# KiCad board Thermal_Camera.kicad_pcb (continued)
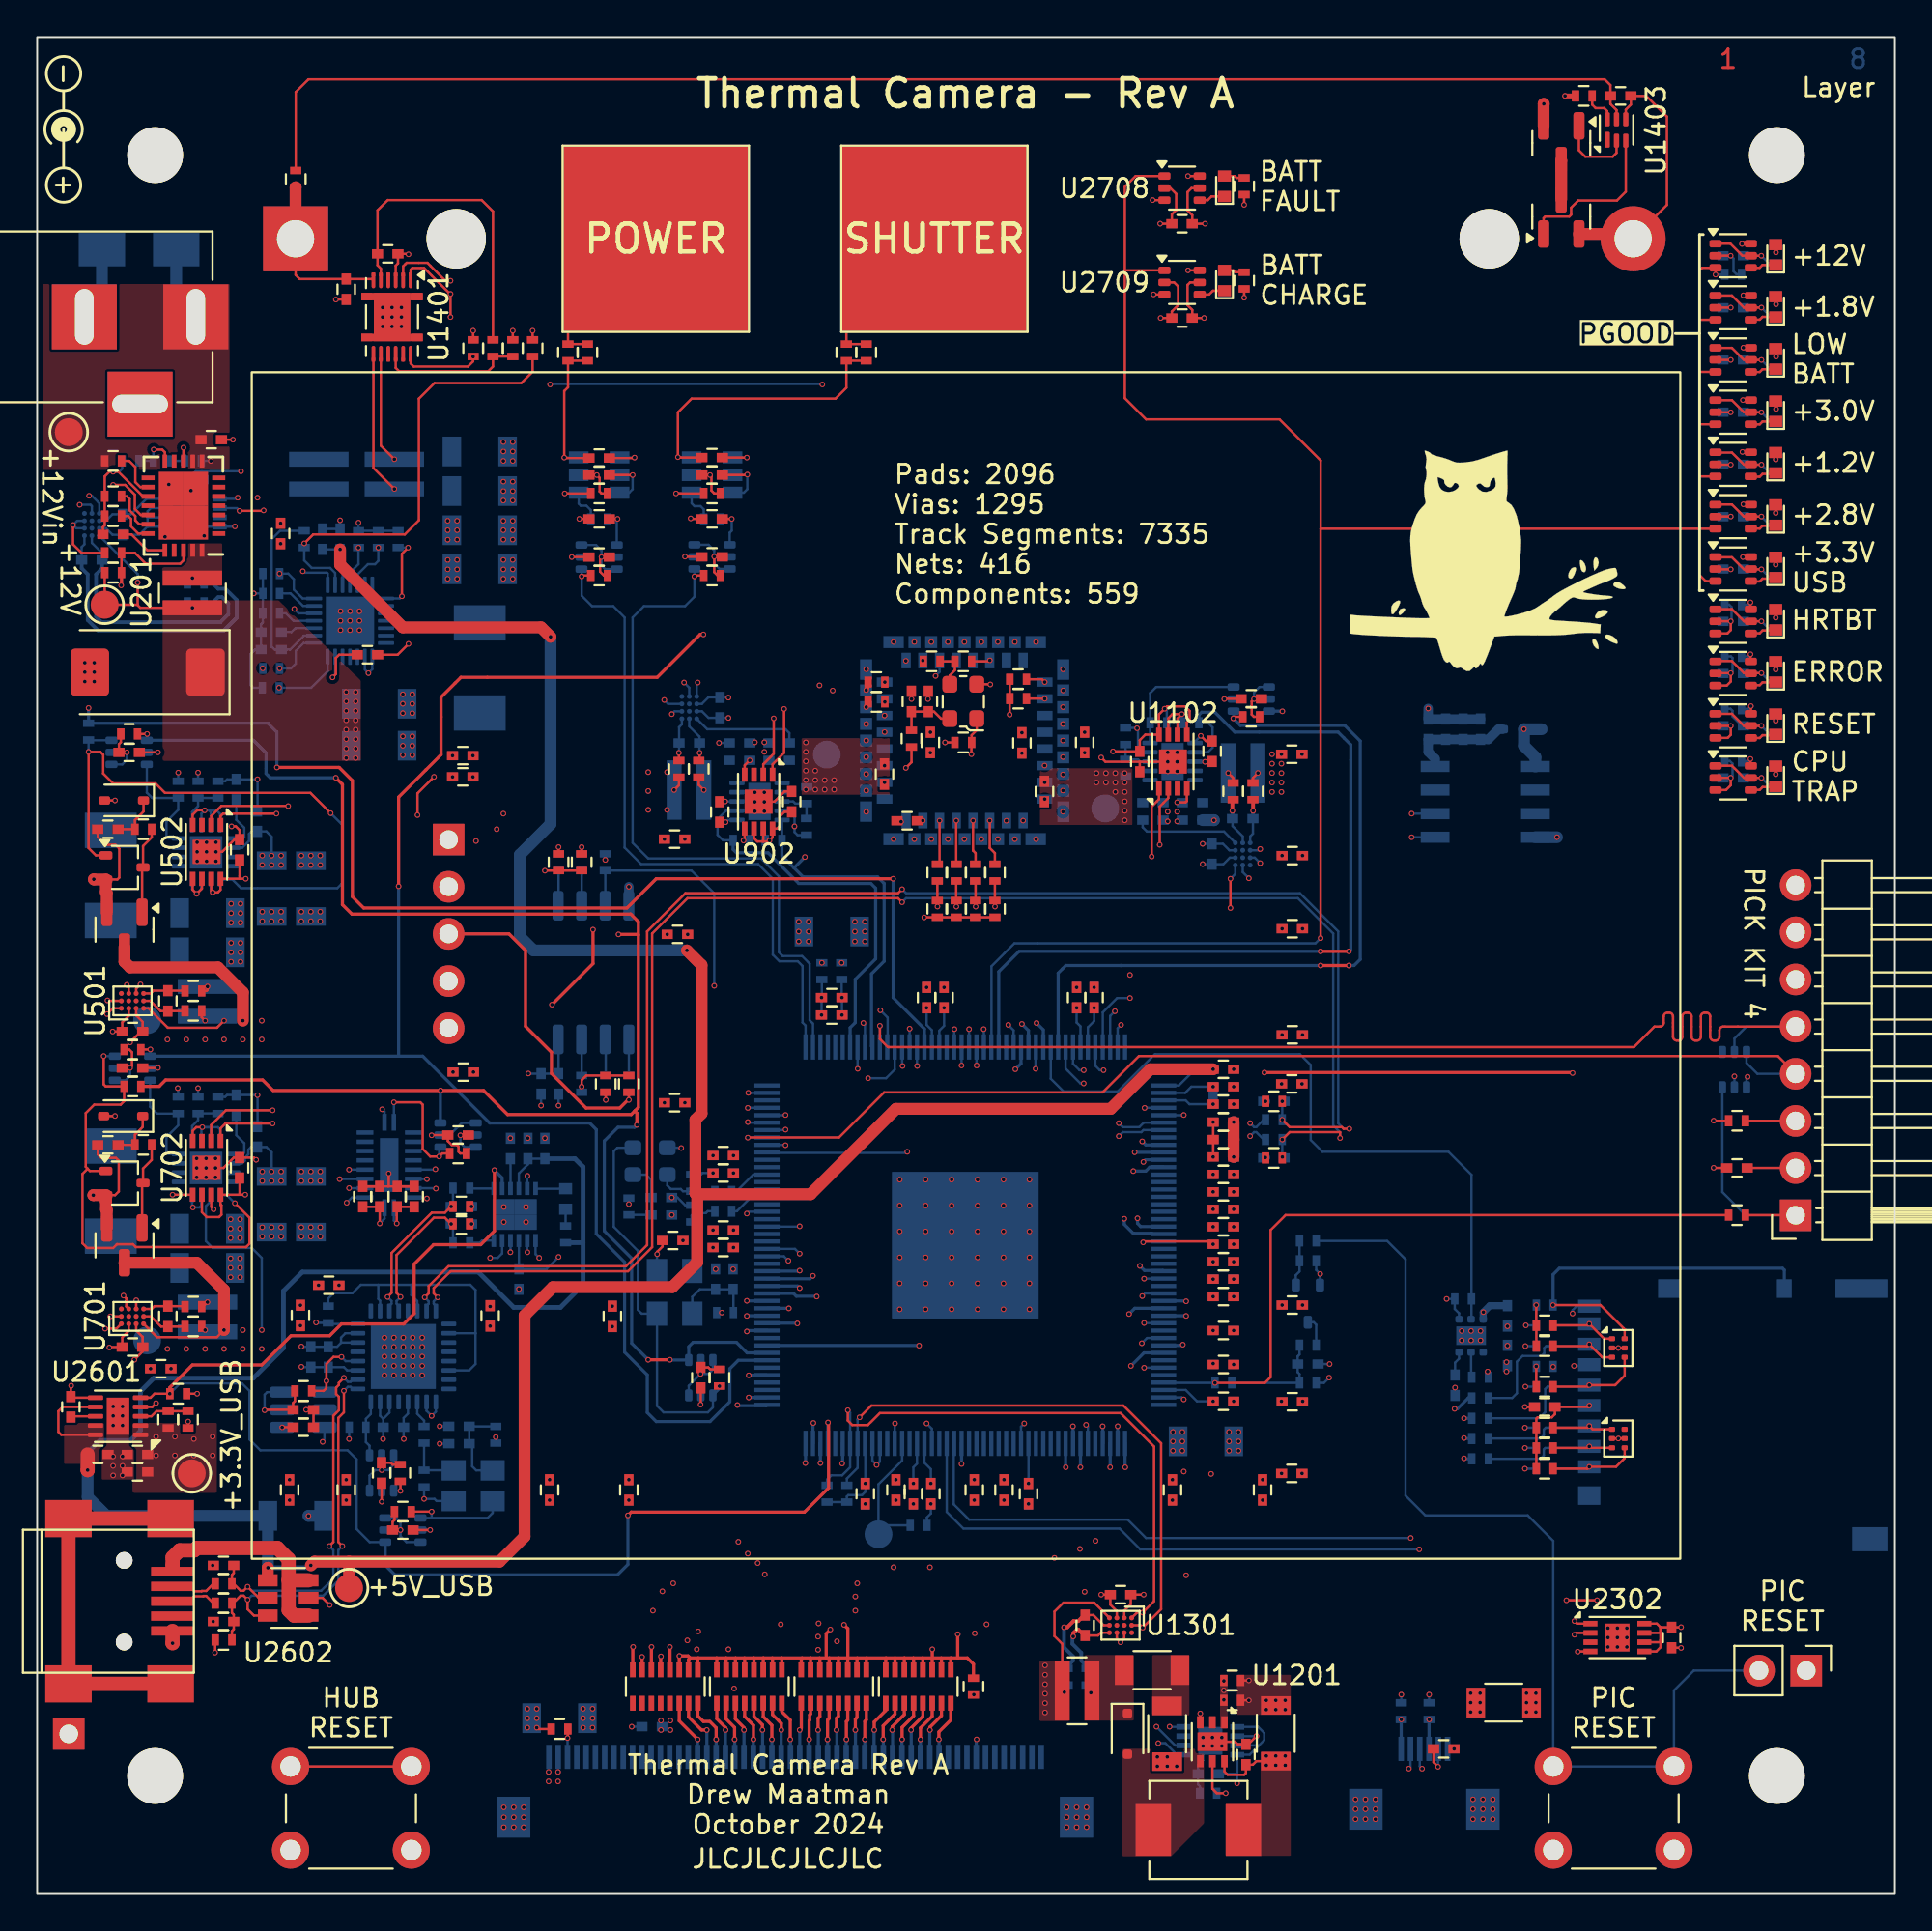
[diagram p0: board, top side]
## Routing (per net, layer and track width the routed paths; a pad name or vN(x,y) marks a point on that pad's centre or on a via; arc(x,y) is an arc through that point) (continued)
  Top w0.635: Q402.3 4.7,50.2 5,49.9 9.73,49.9 11.07,48.55 v1(11.07,47.03)
  Bottom w0.127: U601.5 6.1,44.49 v1(6.5,44.49) ; 93.59,62.5 93.22,62.5 v1(92.82,62.9) 91.85,62.9 ; U2903.5 35.37,72.02 v1(34.87,72.02) ; R1409.1 R1404.1 v1(17.3,73.85) ; 65.72,7.95 65.68,7.99 U1302.7 ; 65.72,7.95 66.05,8.28 66.05,8.67 65.73,8.99 U1302.5 ; 65.72,7.95 65.27,7.49 U1302.8 64.6,6.47 64.59,6.46 ; 91.85,71.34 v1(92.82,71.34) 93.22,70.94 93.59,70.94 ; R1504.1 69.27,27.52 v1(69.55,27.8) ; R2018.1 v1(29.31,43.47) ; 93.59,73.78 93.22,73.78 v1(92.82,74.18) 91.85,74.18 ; 91.85,85.43 v1(92.82,85.43) 93.22,85.03 93.59,85.03 ; U1101.B1 64.2,55.81 63.85,55.46 C1102.1 62.74,55.46 v1(62.74,55.46) ; v1(39.42,56.73) 39.41,56.75 R801.1 ; U1701.102 53.37,24.26 v1(53.37,22.1) ; v1(21.23,40.86) 21.69,40.86 U2202.5 22.21,40.87 22.86,41.52 U2202.1 ; 64.59,6.46 v1(64.59,5.96) ; 64.59,6.46 64.59,6.47 C1303.1 ; R403.1 v1(7.59,60.39) ; v1(35.71,26.35) 35.71,26.84 U1601.5 ; U2401.16 46.56,57.8 v1(46.51,57.75) ; 93.59,65.35 93.22,65.35 v1(92.82,65.75) 91.85,65.75 ; v1(60.69,63.83) 60.81,63.71 R1001.1 ; U2901.6 38.04,75.47 38.23,75.65 v1(38.23,76.44) 37.46,76.44 U2901.5 ; U1701.19 48.56,46.49 48.82,46.75 v1(48.82,47.72) ; U2904.5 29.3,72 v1(28.78,72) ; U2902.6 31.87,75.47 32.05,75.65 v1(32.05,76.42) U2902.5 ; U2203.1 18.7,36.36 v1(18.44,36.11) ; 93.59,82.21 93.22,82.21 v1(92.82,82.61) 91.85,82.61 ; 91.85,79.79 v1(92.82,79.79) 93.22,79.4 93.59,79.4 ; C801.1 36.7,61.99 v1(36.7,61.99) ; v1(63.91,64.35) U1001.5 ; R2805.1 91.15,63.83 91.26,63.72 91.26,63.41 91.76,62.91 C2803.1 ; v1(37.21,64.43) 37.2,64.44 C902.1 36.13,64.44 35.78,64.09 U901.B1 ; v1(75.41,6.85) 75.41,7.8 J2102.2 ; U1101.C3 65.77,56.21 v1(65.84,56.27) ; L1601.2 v1(31.85,37.15) ; U1701.124 44.58,24.25 v1(44.58,22.1) 44.58,21.65 44.4,21.48 43.66,21.48 43.59,21.4 R1802.1 R1801.1 ; R1408.1 v1(12.14,66) ; 91.85,68.54 v1(92.82,68.54) 93.22,68.14 93.59,68.14 ; 93.59,59.71 93.22,59.71 v1(92.82,60.11) 91.85,60.11 ; v1(92.08,44.01) 92.01,43.94 D1501.1 ; U2001.8 28.07,45.99 C2003.1 C2005.1 26.45,44.17 v1(26.44,44.18) ; v1(9.45,53.94) 9.34,54.04 U402.14 ; v1(55.96,47.72) 55.96,46.93 56.16,46.72 U1701.38 ; R2020.1 v1(30.58,55.69) ; R2702.1 93.21,87.83 v1(92.81,88.23) C2701.1 ; v1(7.57,43.4) 7.59,43.37 R603.1 ; v1(47.17,22.1) 47.17,22.97 47.36,23.17 U1701.117 ; v1(6.5,61.48) U401.5 ; U1701.86 61.83,27.14 62.43,26.53 v1(63.31,26.53) ; 93.59,76.58 93.22,76.58 v1(92.82,76.97) 91.85,76.97 ; L1602.2 v1(36.86,31.31) ; v1(10.97,76.62) 8.53,76.62 8.33,76.42 8.33,76.29 8.21,76.16 C303.1 7.42,76.16 7.25,76.34 6.93,76.34 6.67,76.08 6.67,75.69 6.93,75.43 U302.8 5.88,75.13 5.05,74.3 C302.1 4.06,74.3 3.71,73.95 U301.B1 ; R408.1 v1(8.66,60.39)
  Bottom w0.381: C2004.1 78.2,31.68 v1(77.85,31.33) 77.84,31.32 U2002.6
  Bottom w0.635: D2301.2 v1(80.04,62.73) 80.04,61.84 80.65,61.22 80.65,60.72
  vias: v1(7.01,46.01) v1(8.03,46.01) v1(9.04,46.01) v1(10.06,46.01) v1(11.07,46.01) v1(12.09,47.03) v1(12.09,46.01) v1(29.39,9.97) v1(29.39,9.46) v1(29.39,8.95) v1(29.9,9.97) v1(29.9,9.46) v1(29.9,8.95) v1(32.89,60.41) v1(32.89,59.4) v1(32.89,58.38) v1(33.58,9.33) v1(33.58,8.83) v1(33.91,60.41) v1(33.91,58.38) v1(34.09,9.33) v1(34.09,8.83) v1(37.48,39.76) v1(37.48,38.82) v1(37.48,35.75) v1(37.48,34.81) v1(41,52.36) v1(41,51.83) v1(41,51.3) v1(41.53,52.36) v1(41.53,51.83) v1(41.53,51.3) v1(42.24,50.15) v1(61.14,24.88) v1(61.14,24.37) v1(61.14,23.86) v1(61.65,24.88) v1(61.65,24.37) v1(61.65,23.86) v1(77.17,10.81) v1(77.17,10.3) v1(77.17,9.79) v1(77.67,10.81) v1(77.67,10.3) v1(77.67,9.79)
+3.0V_SD: length 11.3
  Top w0.127: R2015.1 80.7,27.33 v1(80.7,28.41) ; R2019.1 R2017.1 R2016.1 80.7,25.6 80.77,25.67 81.53,25.67 81.7,25.84 C2002.1 83.48,26.23 v1(83.55,26.3) ; v1(80.7,31.71) 80.7,30.63 R2013.1 R2014.1
  Bottom w0.127: C2002.1 83.48,26.23 v1(83.55,26.3) ; R2011.1 v1(80.7,28.41) ; R2012.1 v1(80.7,31.71)
  vias: v1(78.08,28.13) v1(79.1,28.64) v1(79.1,28.13)
+3.0VA_MZ: length 1.9
  Bottom w0.127: L1701.1 42.24,48.29 v1(42.22,48.27) v1(42.22,47.33)
+3.3V_USB: length 26.9
  Top w0.127: R2606.1 9.58,13 v1(9.58,12.99) ; R2601.1 v1(8.61,26.94) ; v1(21.16,19.6) C2502.1 ; R2504.1 13.88,26.54 13.78,26.44 C2503.1 12.27,26.07 v1(12.24,26.05) ; v1(19.35,36.11) 19.35,36.98 C2210.1 C2211.1 ; C2509.1 v1(18.54,21.12)
  Bottom w0.127: v1(28.07,34.3) 27.42,33.66 C2201.1 25.93,35.19 U2201.9 ; v1(18.54,21.12) 18.54,21.72 ; U2501.5 v1(21.16,19.6) ; 18.63,25.58 18.96,25.92 U2504.30 ; 18.63,25.58 C2506.1 18.63,24.51 v1(18.62,24.5) ; 18.63,25.58 18.46,25.75 U2504.31 ; U2504.26 20.96,26.02 v1(21.23,25.74) 21.46,25.97 U2504.25 ; U2203.20 19.2,36.26 v1(19.35,36.11) ; U2502.5 13.16,26.05 v1(12.24,26.05) 12.24,26.89 12.38,27.02 U2502.6 ; U2504.8 15.73,30.69 R2507.1 15.03,30.75 v1(15.01,30.77) ; v1(14.22,28.38) 14.24,28.37 C2508.1 C2507.1 16.51,28.37 16.69,28.19 U2504.3 ; L2501.2 v1(24.69,24.6)
  vias: v1(6.4,24.63) v1(6.4,23.61) v1(7.42,24.63) v1(7.42,23.61) v1(8.43,24.5) v1(8.43,23.61) v1(9.45,24.63) v1(9.45,23.61)
+3.3V_USB_MZ: length 6.5
  Bottom w0.127: U1701.47 61.82,42.74 62.03,42.53 v1(63.31,42.53) ; U1701.46 61.79,43.14 62.13,43.47 v1(63.31,43.47)
  Bottom w0.508: v1(63.31,42.53) v1(63.31,43.47)
+5V_USB: length 201.5
  Top w0.127: U2601.7 1.37,26.22 1.14,26 1.14,24.88 1.3,24.72 U2601.10
  Top w0.635: 35.43,37.73 35.48,37.68 41.63,37.68 46.23,42.28 57.78,42.28 59.92,44.41 v1(63.31,44.41) ; 35.43,37.73 35.53,37.63 35.53,34.02 34.19,32.68 27.76,32.68 26.24,31.15 26.24,19.24 24.89,17.89 16.79,17.89 ; 35.43,37.73 35.43,41.69 35.76,42.02 35.76,50.03 v1(34.98,50.81) ; 16.79,17.89 14.94,17.89 v1(14.73,17.69) ; 16.79,17.89 TP2602.1 ; U2602.4 12.41,17.56 v1(12.42,17.56) ; v1(16.31,72.41) 16.31,71.59 19.69,68.21 27.13,68.21 v1(27.64,67.7)
  Top w0.762: C2601.1 v1(2.72,22.82)
  Bottom w0.127: U1402.17 16.44,71.58 16.31,71.72 v1(16.31,72.41) C1403.1 ; v1(63.31,44.41) 62.33,44.41 61.46,43.54 U1701.45 ; C2206.1 C2203.1 26.42,39.29 25.93,38.8 U2201.4
  Bottom w0.254: C2206.1 28.95,39.59 29.39,39.15 29.39,35.06 ; 29.39,35.06 29.39,32.8 28.17,31.59 25.65,31.59 23.75,33.49 14.27,33.49 13.26,32.47 13.26,29.4 11.63,27.78 6.27,27.78 5.56,27.06 5.56,24.96 5.03,24.42 3.38,24.42 2.72,23.76 v1(2.72,22.82) ; 29.39,35.06 29.38,35.07 R2201.1 ; v1(12.42,17.56) 14.6,17.56 v1(14.73,17.69)
  Bottom w0.635: v1(34.98,50.81) 26.72,50.81 25.98,51.55 25.98,55.97 27.64,57.62 v1(27.64,67.7) ; v1(12.42,17.56) 12.42,20.36 C2607.1 3.73,20.36 2.72,21.37 v1(2.72,22.82)
+12V: length 11.5
  Top w0.127: v1(8.36,69.27) 5.55,69.27 5.38,69.43 ; 5.38,69.43 5.41,69.46 v1(5.41,70.62) ; 5.38,69.43 TP203.1 3.64,69.44 R208.1
  Bottom w0.127: v1(8.36,69.27) 8.09,69.53 R210.2 ; U301.D1 5.41,71.09 v1(5.41,70.62)
  vias: v1(16.64,64.73) v1(16.64,64.22) v1(16.64,63.72) v1(16.64,63.21) v1(16.64,62.7) v1(16.64,62.19) v1(16.64,61.68) v1(16.64,61.18) v1(17.15,64.73) v1(17.15,64.22) v1(17.15,63.72) v1(17.15,63.21) v1(17.15,62.7) v1(17.15,62.19) v1(17.15,61.68) v1(17.15,61.18)
+12Vin: length 4.6
  Bottom w0.127: R201.1 v1(9.35,77.18)
  Bottom w0.635: D201.1 7.49,85.99 J201.1
GND: length 333.5
  Top w0.127: v1(37.06,57.72) 37.06,57.72 C803.2 ; v1(6.4,26.43) 6.19,26.22 U2601.4 ; 90.35,62.9 v1(91.17,62.9) 91.17,62.43 91,62.26 U2803.3 ; 23.28,37.02 v1(23.38,37.02) ; Q601.2 4.19,37.63 4.39,37.83 4.39,39.48 4.24,39.64 3.45,39.64 3.26,39.83 C603.2 ; 23.28,36.08 v1(23.38,36.08) ; v1(9.6,39.1) 10.03,39.1 10.58,39.65 C703.2 11.67,39.65 v1(11.79,39.54) ; U2602.2 15.37,15.94 v1(15.75,15.56) ; v1(62.61,9.72) 62.62,9.71 U1201.3 ; 90.35,82.61 v1(91.17,82.61) ; 90.35,65.75 v1(91.17,65.75) 91.17,65.3 90.95,65.08 U2802.3 ; C2401.2 47.97,64.37 v1(47.96,64.35) ; v1(47.07,64.35) 47.06,64.36 C2402.2 ; v1(16.08,85.86) 16.09,85.87 C1401.2 ; v1(90.25,41.64) 90.25,41.64 L1502.2 ; v1(8.13,25.44) 8.13,25.1 R2605.2 ; TH1402.2 v1(26.67,84.19) ; C2202.2 C2205.2 18.92,38.1 ; v1(4.09,75.88) 4.73,75.88 5.26,75.36 5.26,74.59 5.58,74.27 U201.17 ; C903.2 40.24,59.38 39.69,58.83 U902.9 ; v1(18.54,22.82) 18.54,23.22 19.03,23.22 19.13,23.12 R2505.2 ; v1(57.28,61.2) 57.51,60.97 59.35,60.97 ; U701.C3 5.33,31.96 v1(5.33,31.97) ; U502.6 8.87,54.14 v1(8.59,53.86) 8.37,54.08 U502.5 ; 4.93,23.56 v1(4.6,23.56) ; v1(48.87,62.01) 48.87,62.01 R2401.2 ; C202.2 v1(10.54,78.32) ; C403.2 3.26,56.93 3.68,56.5 4.22,56.5 4.42,56.3 4.42,54.73 4.32,54.63 Q401.2 ; U701.C1 5.33,30.34 5.68,29.99 C702.2 5.68,29.21 v1(5.23,28.77) ; U1102.7 60.89,63.31 61.11,63.54 v1(61.62,63.54) 61.39,63.31 U1102.6 ; C2204.2 22.8,40.87 v1(22.78,40.86) ; R402.2 4.5,62.02 4.4,61.92 C401.2 v1(4.83,61.48) ; U702.7 9.37,37 v1(9.5,36.87) ; 90.35,79.79 v1(91.17,79.79) ; v1(8.89,41.29) 8.56,41.29 8.37,41.1 U702.4 ; C2405.2 45.61,59.86 v1(45.62,59.86) ; U501.C3 5.33,48.75 v1(5.56,48.98) ; C1502.2 90.25,39.1 v1(90.25,39.1) ; U502.4 8.37,58.11 8.61,58.36 v1(9.02,58.36) ; C2002.2 v1(80.09,26.23) ; C2908.2 30.8,72 v1(30.38,72) 30.3,71.92 30.3,71.21 30.51,71.01 R2910.2 ; v1(44.63,63.92) 44.73,64.02 R2406.2 ; v1(44.63,64.83) 44.73,64.94 R2408.2 ; v1(62.64,62.37) 62.92,62.09 C1004.2 ; R2404.2 54.08,65.42 v1(54.24,65.26) ; v1(10.46,57.49) 10.69,57.49 10.9,57.29 C503.2 10.62,56.78 9.96,56.12 v1(9.63,56.12) ; 90.35,60.11 v1(91.17,60.11) 91.17,59.71 90.91,59.45 U2804.3 ; R2503.2 19.24,20.14 19.13,20.04 C2502.2 v1(19.56,19.6) ; D2002.2 v1(85.12,24.52) D2002.5 ; R1202.2 v1(65.23,10.43) ; C2604.2 v1(9.47,14.67) ; R2905.2 36.45,75.43 36.3,75.58 36.3,76.34 v1(36.22,76.42) C2903.2 ; C2906.2 v1(29.18,74.05) ; R209.2 2.39,72.23 1.93,72.68 v1(1.93,73.72) ; TH1401.2 v1(25.6,84.19) ; 18.92,38.1 v1(18.92,38.8) ; 18.92,38.1 C2211.2 C2210.2 ; C3133.2 33.66,34.87 33.38,34.58 v1(33.38,34.46) ; U2709.2 61.2,86.79 61.42,86.58 61.42,85.56 61.08,85.22 C2709.2 60.48,84.87 v1(60.48,84.87) ; v1(47.68,57.8) 47.67,57.8 C2404.2 ; U2601.6 1.87,26.72 C2602.2 1.81,27.35 v1(1.83,27.37) ; v1(65.63,8.5) 65.19,8.06 C1202.2 64.63,8.06 64.49,8.19 U1201.7 ; R2906.2 30.38,75.43 30.28,75.53 30.28,76.26 v1(30.12,76.42) C2904.2 ; v1(54.24,58.96) 54.22,58.95 C2403.2 ; U902.5 38.09,56.79 v1(38.02,56.73) ; v1(35.18,74.08) 35.2,74.05 C2905.2 ; v1(5,45.86) 5.59,46.44 C502.2 5.68,46.96 5.33,47.31 U501.C1 ; U2701.2 v1(91.16,88.23) ; U902.4 38.09,60.78 v1(38.36,61.05) ; v1(7.29,37.66) 7.29,37.65 U702.5 ; R2409.2 51.23,66.38 v1(51.28,66.43) ; v1(82.93,13.04) 82.94,13.06 83.61,13.06 ; v1(14.48,26.07) C2503.2 C2501.2 ; R2104.2 26.97,8.88 v1(26.89,8.95) ; C1103.2 59.35,60.97 ; 59.35,60.97 v1(60.86,60.97) ; 90.35,76.97 v1(91.17,76.97) ; U2801.3 90.99,67.88 91.17,68.07 v1(91.17,68.54) 90.35,68.54 ; v1(57.28,16.12) C1302.2 57.77,15.57 58.12,15.22 U1301.C1 ; v1(51.31,65.14) 51.3,65.15 X2401.2 ; C2305.2 88.48,13.25 v1(88.49,13.25) ; D2001.5 v1(85.12,29.4) D2001.2 ; v1(60.45,89.95) 60.45,89.95 C2708.2 61.08,90.46 61.32,90.69 61.32,91.56 61.01,91.87 U2708.2 ; R2909.2 36.63,71.01 36.45,71.18 v1(36.45,72.02) 36.46,72.01 C2907.2 ; U1401.3 19.3,87.69 19.42,87.81 C1408.2 19.96,88.33 v1(19.99,88.3) ; C601.2 5,44.48 v1(5,44.49) 5.11,44.59 5.11,45.33 4.96,45.47 R602.2 ; v1(35.71,28) 35.72,28.02 C1601.2 36.13,28.35 36.23,28.25 R1602.2 ; v1(61.37,58.79) 61.82,58.79 61.89,58.85 U1102.4 ; 90.35,85.43 v1(91.17,85.43) ; C1001.2 65.52,64.36 v1(65.51,64.35) 65.38,64.22 65.38,63.51 65.5,63.4 R1003.2 ; 90.35,74.18 v1(91.17,74.18) ; R1203.2 v1(65.23,11.49) ; 90.35,71.34 v1(91.17,71.34)
  Top w0.169: 38.07,12.71 38.09,12.7 RN2103.5 ; 38.07,12.71 37.59,12.71 ; 38.07,12.71 38.58,12.71 ; 38.58,12.71 38.59,12.7 RN2103.4 ; 38.58,12.71 39.09,12.71 ; RN2103.6 37.59,12.7 37.59,12.71 ; 42.11,12.71 42.47,12.71 ; 42.11,12.71 41.63,12.71 ; 42.11,12.71 42.13,12.69 RN2102.6 ; 42.47,12.71 42.48,12.71 42.48,14.02 v1(42.7,14.24) ; 42.47,12.71 42.65,12.71 ; 35.15,12.71 35.59,12.71 ; 35.15,12.71 35.06,12.62 RN2104.2 ; 35.15,12.71 35.04,12.81 v1(34.57,12.81) 34.56,12.81 RN2104.3 ; 35.59,12.71 36.58,12.71 ; 35.59,12.71 35.56,12.68 RN2104.1 ; 46.69,12.71 47.17,12.71 ; 46.69,12.71 46.18,12.71 ; 46.69,12.71 46.68,12.7 RN2101.6 ; 47.17,12.71 47.68,12.71 ; 47.17,12.71 47.18,12.7 RN2101.5 ; RN2102.3 43.63,12.7 43.64,12.71 ; 41.63,12.71 41.63,12.7 RN2102.7 ; 41.63,12.71 41.17,12.71 ; 47.68,12.71 47.68,12.7 RN2101.4 ; 47.68,12.71 48.18,12.71 ; 46.18,12.71 46.18,12.7 RN2101.7 ; 46.18,12.71 45.69,12.71 ; 48.18,12.71 v1(48.18,13.17) ; 48.18,12.71 48.18,12.7 RN2101.3 ; 48.18,12.71 48.67,12.71 ; 43.64,12.71 44.15,12.71 ; 43.64,12.71 43.15,12.71 ; 43.64,12.71 43.64,14.29 v1(43.43,14.49) ; 44.15,12.71 44.13,12.69 RN2102.2 ; 44.15,12.71 44.65,12.71 ; 41.17,12.71 41.13,12.66 RN2102.8 ; 41.17,12.71 40.08,12.71 ; 45.69,12.71 44.65,12.71 ; 45.69,12.71 45.68,12.69 RN2101.8 ; 44.65,12.71 44.63,12.68 RN2102.1 ; 43.15,12.71 42.65,12.71 ; 43.15,12.71 43.13,12.68 RN2102.4 ; RN2104.4 34.06,13.29 v1(34.06,13.3) ; R2103.2 50.4,12.38 50.07,12.71 49.56,12.71 ; RN2104.7 v1(32.56,12.76) ; RN2103.8 36.59,12.7 36.58,12.71 ; v1(33.07,13.3) 33.06,13.29 RN2104.6 ; 49.56,12.71 v1(49.56,13.98) ; 49.56,12.71 49.17,12.71 ; RN2104.8 32.06,13.28 v1(32.08,13.3) ; 36.58,12.71 37.08,12.71 ; 39.57,12.71 40.08,12.71 ; 39.57,12.71 39.09,12.71 ; 39.57,12.71 39.59,12.69 RN2103.2 ; 40.08,12.71 40.09,12.7 RN2103.1 ; RN2102.5 42.63,12.69 42.65,12.71 ; 37.59,12.71 37.08,12.71 ; 37.08,12.71 37.09,12.7 RN2103.7 ; RN2103.3 39.09,12.7 39.09,12.71 ; 48.67,12.71 48.68,12.69 RN2101.2 ; 48.67,12.71 49.17,12.71 ; 49.17,12.71 49.18,12.7 RN2101.1 ; RN2104.5 33.56,12.77 v1(33.58,12.79)
  Top w0.254: R1414.2 82.25,96.83 v1(82.25,96.84)
  Top w0.635: Q1402.2 81.09,96.4 v1(81.1,96.41) ; Q402.2 3.75,53.9 3.7,53.95 Q401.2 3.06,54.63 v1(3.05,54.65) ; Q602.2 3.75,36.83 3.71,36.87 3.71,37.3 3.7,37.31 Q601.2 3.03,37.63 v1(3.02,37.63) ; v1(64.41,39.69) C1741.2 v1(64.41,41.57)
  Top w0.762: J2601.5 7.29,13.5 v1(7.29,13.5)
  Bottom w0.127: U1701.115 48.16,25.05 v1(47.88,25.34) ; v1(10.64,73.65) 10.63,73.63 U302.4 8.38,73.63 ; J2001.9 82.87,31.65 82.65,31.43 v1(82.65,31.25) ; R802.2 38.04,56.75 v1(38.02,56.73) ; v1(49.38,46.57) 49.36,46.56 U1701.21 ; U2401.P32 49.92,67.42 v1(49.91,67.42) ; v1(91.17,79.79) 90.75,79.79 ; v1(19.56,19.6) 19.56,20 19.31,20.25 U2501.3 ; v1(19.56,19.6) U2501.2 ; v1(19.56,19.6) 19.56,19.27 19.88,18.95 U2501.6 ; U1701.122 45.36,23.28 v1(45.19,23.1) 44.96,23.33 U1701.123 ; U2401.P36 53.77,67.42 v1(53.77,67.42) ; R1604.2 34.88,37.09 34.47,37.5 C1602.2 ; U801.4 40.64,58.34 40.77,58.2 v1(40.77,57.49) 40.77,57.19 40.94,57.02 R807.2 ; U1701.94 56.56,25.16 v1(56.46,25.26) ; U2504.7 16.59,30.19 16.36,29.96 16.36,29.68 ; v1(91.17,74.18) 90.75,74.18 ; v1(61.72,41.95) 61.71,41.94 U1701.49 ; v1(44.63,62.12) U2401.P23 ; R1008.2 59.18,62.8 v1(59.21,62.78) 59.26,62.73 59.26,61.58 59.36,61.48 U1002.4 ; v1(34.67,40.17) 34.66,40.18 X1601.2 ; U302.9 8.93,74.93 C303.2 ; U302.9 8.13,74.63 U302.7 6.12,74.63 5.94,74.46 5.94,74.13 ; U302.9 8.13,74.13 U302.6 5.95,74.13 5.94,74.13 ; U302.9 8.38,73.63 ; U1002.6 62.33,62.06 v1(62.64,62.37) ; v1(35.71,28) 35.07,27.37 U1601.6 ; v1(35.71,28) 35.71,28.74 U1601.2 ; v1(35.71,28) 36.14,28 36.37,28.23 U1601.3 ; U1101.B3 65.54,55.81 v1(65.84,55.51) ; v1(51.71,56.81) 51.72,56.8 51.73,56.8 ; 62.76,7.73 62.76,7.19 62.49,6.93 C1303.2 62.49,5.9 62.59,5.8 R1201.1 ; v1(53.77,56.81) 53.77,56.8 53.75,56.8 ; v1(55.22,58.28) 55.23,58.29 U2401.P9 ; v1(49.76,44.62) 49.76,44.62 U1701.22 ; U2401.P8 55.23,59.41 v1(55.22,59.42) ; U2401.P28 v1(46.1,67.42) ; C1403.2 C1406.2 v1(16.31,73.98) ; v1(44.63,60.31) U2401.P21 ; 31.2,71.35 30.57,71.35 30.38,71.54 v1(30.38,72) ; 9.34,40.57 9.34,41.25 9.3,41.29 v1(8.89,41.29) ; 16.36,29.68 16.15,29.47 C2507.2 C2508.2 14.23,29.47 v1(14.22,29.48) ; 16.36,29.68 16.37,29.69 U2504.6 ; v1(56.34,44.36) 56.11,44.36 55.76,44.71 U1701.37 ; U1402.12 14.08,68.97 v1(13.84,69.2) ; U1701.83 59.59,28.34 v1(59.59,28.33) ; 48.13,56.8 v1(48.13,56.81) ; R2506.2 16.8,24.51 v1(16.79,24.5) ; v1(91.17,71.34) 90.75,71.34 ; U301.C1 3.71,73.55 4.06,73.2 C302.2 5.5,73.2 5.94,73.65 ; v1(61.62,63.54) 61.62,63.09 R1002.2 ; R1603.2 35.73,38.74 35.81,38.82 v1(36.38,38.82) ; U2401.P31 v1(49.02,67.42) ; U2903.2 37.27,72.02 v1(36.45,72.02) ; C2101.2 32.01,9.01 v1(32,9) ; U2201.5 26.38,38.66 v1(26.39,38.67) ; J2001.6 83.49,28.44 v1(82.73,28.44) ; U1701.87 61.62,26.74 v1(61.72,26.63) ; U402.6 8.84,58.18 v1(9.02,58.36) ; U1302.6 65.63,8.49 v1(65.63,8.5) ; v1(47.22,56.81) 47.22,56.8 47.23,56.8 ; 17.89,21.72 17.89,22.53 18.19,22.82 v1(18.54,22.82) ; U1302.4 60.97,8.99 v1(60.96,9) ; U2201.13 25.11,36.17 v1(25.12,36.18) ; v1(9.02,58.36) 9.65,58.36 9.84,58.17 U402.8 ; v1(9.02,58.36) 9.25,58.36 9.34,58.26 U402.7 ; U2203.10 18.7,42.12 v1(18.57,42.25) ; v1(30.38,72) 30.38,72.35 30.08,72.65 U2904.6 ; v1(30.38,72) 30.38,72 U2904.2 ; 5.94,73.65 5.94,74.13 ; 5.94,73.65 5.96,73.63 U302.5 8.38,73.63 ; v1(91.17,82.61) 90.75,82.61 ; v1(8.89,41.29) 9.73,41.29 9.84,41.18 9.84,40.57 ; v1(8.89,41.29) 8.84,41.25 8.84,40.57 ; U2201.13 26.31,36.17 v1(26.31,36.18) ; v1(75.87,32.04) R2029.2 76.31,31.5 76.54,31.27 76.54,30.95 ; v1(44.63,59.42) 44.62,59.42 U2401.P20 ; v1(25.12,37) 25.11,37 U2201.13 ; R1403.2 11.63,64.96 11.48,65.11 11.48,66.76 11.73,67.02 C1411.2 C1407.2 12.05,68.37 12.15,68.47 R1406.2 R1401.2 ; X2501.2 21.5,21.16 21.39,21.27 v1(20.83,21.27) R2502.2 ; v1(37.21,63.34) 37.21,63.34 C902.2 36.14,63.34 35.79,63.69 U901.C1 ; U2401.P5 55.22,62.11 v1(55.22,62.12) ; U2401.P4 55.23,63.01 v1(55.22,63) ; v1(44.63,61.23) 44.62,61.22 U2401.P22 ; U401.2 v1(4.83,61.48) 4.83,61.07 4.58,60.83 U401.1 ; R2801.2 91.08,69.43 91.21,69.3 91.21,68.59 v1(91.17,68.54) 90.75,68.54 ; J2102.1 76.28,7.81 v1(76.28,7.81) ; R2806.2 91.12,61.02 91.26,60.87 91.26,60.2 v1(91.17,60.11) 90.75,60.11 ; v1(55.22,60.29) 55.23,60.3 U2401.P7 ; U1101.C1 64.18,56.21 63.83,56.56 62.74,56.56 v1(62.74,56.55) ; v1(33.38,34.46) 33.37,34.45 X1602.2 ; U402.15 8.84,54.12 v1(8.59,53.86) 8.34,54.1 U402.16 ; C2701.2 v1(91.16,88.23) 91.31,88.07 91.31,87.39 91.47,87.23 R2701.2 ; v1(36.22,76.42) U2901.2 ; v1(48.11,21) 48.11,20.49 47.9,20.27 R1601.2 ; U801.6 37.17,57.84 v1(37.06,57.72) ; v1(47.22,67.42) 47.22,67.42 U2401.P29 ; U301.C3 2.1,73.55 v1(1.93,73.72) 2.16,73.95 U301.B3 ; U2903.3 36.73,71.36 36.45,71.64 v1(36.45,72.02) ; v1(44.63,58.28) 44.62,58.29 U2401.P19 ; v1(53.14,25.34) 52.96,25.16 U1701.103 ; C2006.2 v1(76.33,27.27) ; v1(18.54,22.82) 18.9,22.82 19.19,23.12 U2503.3 ; v1(18.54,22.82) U2503.2 ; 49.93,56.8 49.92,56.8 v1(49.91,56.81) ; v1(36.45,72.02) 36.45,72.35 36.14,72.66 U2903.6 ; U2401.25 v1(46.76,66.41) ; C1501.2 v1(69.57,28.54) ; C2005.2 v1(27.13,42.46) ; C2003.2 v1(28.07,42.46) ; U1701.154 40.79,34.74 v1(41.05,34.48) ; U1701.153 40.2,34.34 v1(40.44,34.1) ; U602.15 8.84,37.08 8.74,36.97 v1(8.38,36.97) 8.34,37.01 U602.16 ; U1402.2 17.64,65.94 v1(17.83,65.75) 18.04,65.96 U1402.1 ; v1(51.28,66.43) 51.28,66.43 U2401.30 ; v1(26.31,37) 26.31,37 U2201.13 ; U2401.P34 51.72,67.42 v1(51.71,67.42) ; v1(52.27,46.8) 52.56,46.51 U1701.29 ; U2401.10 v1(52.17,57.8) ; v1(44.63,63) 44.62,63.01 U2401.P24 ; C606.2 v1(11.86,43.02) 11.76,43.02 11.75,43.02 C605.2 10.22,43.02 10.12,42.92 R609.2 ; U2401.P1 v1(55.22,65.95) ; C2504.2 v1(21.67,24.24) ; v1(91.17,76.97) 90.75,76.97 ; v1(52.63,67.42) U2401.P35 ; R2101.2 v1(74.93,10.73) ; C2201.2 v1(25.93,32.58) ; U901.C3 34.32,63.69 v1(34.16,63.54) ; R2802.2 91.17,66.65 91.26,66.56 91.26,65.84 v1(91.17,65.75) 90.75,65.75 ; v1(48.36,65.6) 48.58,65.81 U2401.27 ; C2505.2 v1(21.67,25.18) ; v1(19.74,24.5) 19.73,24.51 C2506.2 19.73,25.63 19.96,25.87 U2504.28 ; C2002.2 v1(80.09,26.23) ; U601.1 4.76,43.82 5,44.06 v1(5,44.49) 4.2,44.49 U601.2 ; U2401.P30 v1(48.13,67.42) ; v1(50.83,67.42) U2401.P33 ; v1(91.17,85.43) 90.75,85.43 ; U2202.3 23.01,40.22 22.78,40.45 v1(22.78,40.86) 23.59,40.86 U2202.2 ; U1701.48 59.62,42.34 v1(59.61,42.33) ; R2102.2 v1(73.43,10.73) ; R1411.2 v1(11.66,70.04) ; v1(55.22,63.92) 55.22,63.91 U2401.P3 ; U1001.1 65.8,65 65.51,64.71 v1(65.51,64.35) U1001.2 ; U2502.2 v1(14.48,26.07) ; R409.2 10.13,59.92 10.23,60.02 C405.2 11.85,60.02 v1(11.86,60.03) C406.2 ; D1501.2 v1(91.36,44.03) ; v1(91.17,62.9) 90.75,62.9 ; Q1501.2 69.05,33.38 v1(69.06,33.39) 68.85,33.6 R1502.2 ; v1(30.12,76.42) U2902.2 ; U2401.P6 v1(55.22,61.23)
  Bottom w0.508: U2001.4 v1(31.85,54.24) ; v1(74.88,63.84) C2304.2 C2301.2 ; C1726.2 v1(66.12,42.68) ; v1(66.12,39.66) 66.09,39.64 C1719.2
  Bottom w0.635: C2607.2 14.61,20.36 v1(14.6,20.36) ; 80.65,56.91 v1(81.81,56.91) ; D201.2 3.49,85.88 J201.2 ; v1(64.41,39.69) v1(64.41,41.57)
  vias: v1(2.57,66.31) v1(2.57,65.8) v1(2.57,65.29) v1(3.07,66.31) v1(3.07,65.8) v1(3.07,65.29) v1(4.09,26.25) v1(4.09,25.74) v1(4.09,25.23) v1(4.09,23.56) v1(4.09,23.05) v1(4.09,22.54) v1(4.6,26.25) v1(4.6,25.74) v1(4.6,25.23) v1(4.6,23.05) v1(4.6,22.54) v1(8.59,39.61) v1(8.59,39.1) v1(8.59,38.59) v1(8.61,56.64) v1(8.61,56.12) v1(8.61,55.61) v1(9.12,56.64) v1(9.12,56.12) v1(9.12,55.61) v1(9.09,39.61) v1(9.09,39.1) v1(9.09,38.59) v1(9.45,17.69) v1(9.63,56.64) v1(9.63,55.61) v1(9.6,39.61) v1(9.6,38.59) v1(10.44,53.33) v1(10.44,52.82) v1(10.44,52.31) v1(10.44,51.22) v1(10.44,50.71) v1(10.44,50.2) v1(10.41,36.33) v1(10.41,35.83) v1(10.41,35.32) v1(10.41,34.23) v1(10.41,33.72) v1(10.41,33.21) v1(10.95,53.33) v1(10.95,52.82) v1(10.95,52.31) v1(10.95,51.22) v1(10.95,50.71) v1(10.95,50.2) v1(10.92,36.33) v1(10.92,35.83) v1(10.92,35.32) v1(10.92,34.23) v1(10.92,33.72) v1(10.92,33.21) v1(12.12,52.9) v1(12.12,52.39) v1(12.12,35.9) v1(12.12,35.4) v1(12.62,52.9) v1(12.62,52.39) v1(12.62,35.9) v1(12.62,35.4) v1(13.11,73.82) v1(13.13,52.9) v1(13.13,52.39) v1(13.13,35.9) v1(13.13,35.4) v1(14.22,52.9) v1(14.22,52.39) v1(14.22,35.9) v1(14.22,35.4) v1(14.73,52.9) v1(14.73,52.39) v1(14.73,35.9) v1(14.73,35.4) v1(15.24,52.9) v1(15.24,52.39) v1(15.24,35.9) v1(15.24,35.4) v1(16.25,32.78) v1(16.33,69.08) v1(16.33,68.57) v1(16.33,68.06) v1(16.84,69.08) v1(16.84,68.57) v1(16.84,68.06) v1(17.35,69.08) v1(17.35,68.57) v1(17.35,68.06) v1(18.59,85.44) v1(18.59,84.93) v1(18.59,84.42) v1(18.69,29.96) v1(18.69,29.46) v1(18.69,28.94) v1(18.69,28.44) v1(18.69,27.93) v1(19.1,85.44) v1(19.1,84.93) v1(19.1,84.42) v1(19.2,29.96) v1(19.2,29.46) v1(19.2,28.94) v1(19.2,28.44) v1(19.2,27.93) v1(19.61,85.44) v1(19.61,84.93) v1(19.61,84.42) v1(19.69,64.61) v1(19.69,64.1) v1(19.69,63.59) v1(19.69,62.34) v1(19.69,61.84) v1(19.69,61.33) v1(19.71,29.96) v1(19.71,29.46) v1(19.71,28.94) v1(19.71,28.44) v1(19.71,27.93) v1(20.19,64.61) v1(20.19,64.1) v1(20.19,63.59) v1(20.19,62.34) v1(20.19,61.84) v1(20.19,61.33) v1(20.22,29.96) v1(20.22,29.46) v1(20.22,28.94) v1(20.22,28.44) v1(20.22,27.93) v1(20.73,29.96) v1(20.73,29.46) v1(20.73,28.94) v1(20.73,28.44) v1(20.73,27.93) v1(23.46,61.3) v1(23.46,60.16) v1(23.49,44.26) v1(24.38,31.64) v1(25.1,78.19) v1(25.1,77.69) v1(25.1,77.18) v1(25.1,76.06) v1(25.1,75.55) v1(25.1,75.04) v1(25.1,73.95) v1(25.1,73.44) v1(25.1,72.94) v1(25.1,71.84) v1(25.1,71.34) v1(25.1,70.83) v1(25.12,4.66) v1(25.12,4.13) v1(25.12,3.59) v1(25.48,40.7) v1(25.6,78.19) v1(25.6,77.69) v1(25.6,77.18) v1(25.6,76.06) v1(25.6,75.55) v1(25.6,75.04) v1(25.6,73.95) v1(25.6,73.44) v1(25.6,72.94) v1(25.6,71.84) v1(25.6,71.34) v1(25.6,70.83) v1(25.65,4.66) v1(25.65,4.13) v1(25.65,3.59) v1(26.19,4.66) v1(26.19,4.13) v1(26.19,3.59) v1(26.38,9.97) v1(26.38,9.46) v1(26.38,8.95) v1(26.42,40.7) v1(26.89,9.97) v1(26.89,9.46) v1(27.33,40.7) v1(27.53,6.57) v1(27.53,6.06) v1(28.04,6.57) v1(28.04,6.06) v1(30.96,31.65) v1(33.77,56.81) v1(33.77,42.61) v1(33.92,51.68) v1(34.16,37.5) v1(34.16,36.56) v1(36.38,39.76) v1(36.38,35.75) v1(36.38,34.81) v1(36.53,33.64) v1(37.47,33.64) v1(38.63,62.02) v1(38.63,59.33) v1(38.63,58.81) v1(38.63,58.31) v1(39.14,62.02) v1(39.14,61.51) v1(39.14,59.33) v1(39.14,58.81) v1(39.14,58.31) v1(43.31,50.15) v1(44.02,52.36) v1(44.02,51.83) v1(44.02,51.3) v1(44.55,52.36) v1(44.55,51.83) v1(44.55,51.3) v1(44.58,21) v1(44.63,65.95) v1(46.1,56.81) v1(46.43,38.47) v1(46.43,37.07) v1(46.43,35.67) v1(46.43,34.28) v1(46.43,32.88) v1(46.43,31.48) v1(47.17,21) v1(47.88,48.82) v1(47.83,38.47) v1(47.83,37.07) v1(47.83,35.67) v1(47.83,34.28) v1(47.83,32.88) v1(47.83,31.48) v1(48.08,62.56) v1(48.82,48.82) v1(49.02,56.81) v1(49.23,38.47) v1(49.23,37.07) v1(49.23,35.67) v1(49.23,34.28) v1(49.23,32.88) v1(49.23,31.48) v1(50.62,38.47) v1(50.62,37.07) v1(50.62,35.67) v1(50.62,34.28) v1(50.62,32.88) v1(50.62,31.48) v1(50.83,56.81) v1(52.02,38.47) v1(52.02,37.07) v1(52.02,35.67) v1(52.02,34.28) v1(52.02,32.88) v1(52.02,31.48) v1(52.63,56.81) v1(53.01,62.54) v1(53.08,57.8) v1(53.37,21) v1(53.42,38.47) v1(53.42,37.07) v1(53.42,35.67) v1(53.42,34.28) v1(53.42,32.88) v1(53.42,31.48) v1(54.23,60.77) v1(55.23,64.81) v1(55.42,4.66) v1(55.42,4.13) v1(55.42,3.59) v1(55.96,48.82) v1(55.96,4.66) v1(55.96,4.13) v1(55.96,3.59) v1(56.39,62.56) v1(56.49,4.66) v1(56.49,4.13) v1(56.49,3.59) v1(56.9,48.82) v1(60.3,7.38) v1(60.3,6.87) v1(60.86,61.48) v1(60.86,60.46) v1(60.86,58.28) v1(60.86,57.77) v1(60.83,7.38) v1(60.83,6.87) v1(61.37,61.48) v1(61.37,60.97) v1(61.37,60.46) v1(61.37,58.28) v1(61.37,57.77) v1(61.34,6.87) v1(62.76,8.42) v1(62.76,7.96) v1(63.27,8.42) v1(63.27,7.96) v1(63.77,8.42) v1(63.77,7.96) v1(64.16,24.88) v1(64.16,24.37) v1(64.16,23.86) v1(64.41,44.41) v1(64.41,43.47) v1(64.41,42.53) v1(64.41,38.75) v1(64.41,37.81) v1(64.41,36.87) v1(64.41,35.93) v1(64.41,34.99) v1(64.41,34.05) v1(64.41,33.11) v1(64.41,32.17) v1(64.41,30.34) v1(64.41,28.51) v1(64.41,26.53) v1(64.67,24.88) v1(64.67,24.37) v1(64.67,23.86) v1(66.17,10.43) v1(66.17,9.92) v1(66.68,10.43) v1(66.68,9.92) v1(67.18,10.43) v1(67.18,9.92) v1(68.09,61.38) v1(68.11,55.92) v1(68.11,51.98) v1(68.11,46.27) v1(68.09,43.62) v1(68.11,31.71) v1(68.12,26.53) v1(68.09,22.64) v1(70.97,5.09) v1(70.97,4.56) v1(70.97,4.03) v1(71.5,5.09) v1(71.5,4.56) v1(71.5,4.03) v1(72.03,5.09) v1(72.03,4.56) v1(72.03,4.03) v1(76.68,30.32) v1(76.68,29.81) v1(77.19,30.32) v1(77.19,29.81) v1(77.29,5.09) v1(77.29,4.56) v1(77.29,4.03) v1(77.7,30.32) v1(77.7,29.81) v1(77.83,5.09) v1(77.83,4.56) v1(77.83,4.03) v1(78.36,5.09) v1(78.36,4.56) v1(78.36,4.03) v1(79.15,30.57) v1(79.15,29.53) v1(80.17,10.81) v1(80.17,10.3) v1(80.17,9.79) v1(80.68,10.81) v1(80.68,10.3) v1(80.68,9.79) v1(84.56,14.31) v1(84.56,13.81) v1(84.56,13.3) v1(85.06,14.31) v1(85.06,13.81) v1(85.06,13.3) v1(85.57,14.31) v1(85.57,13.81) v1(85.57,13.3)
